# KiCad board PiCoral.kicad_pcb
title: √g; date: 2024-08-05; rev: 1.0.1; company: Stanford Student Space Initiative; note: RE: Flynn Dreilinger
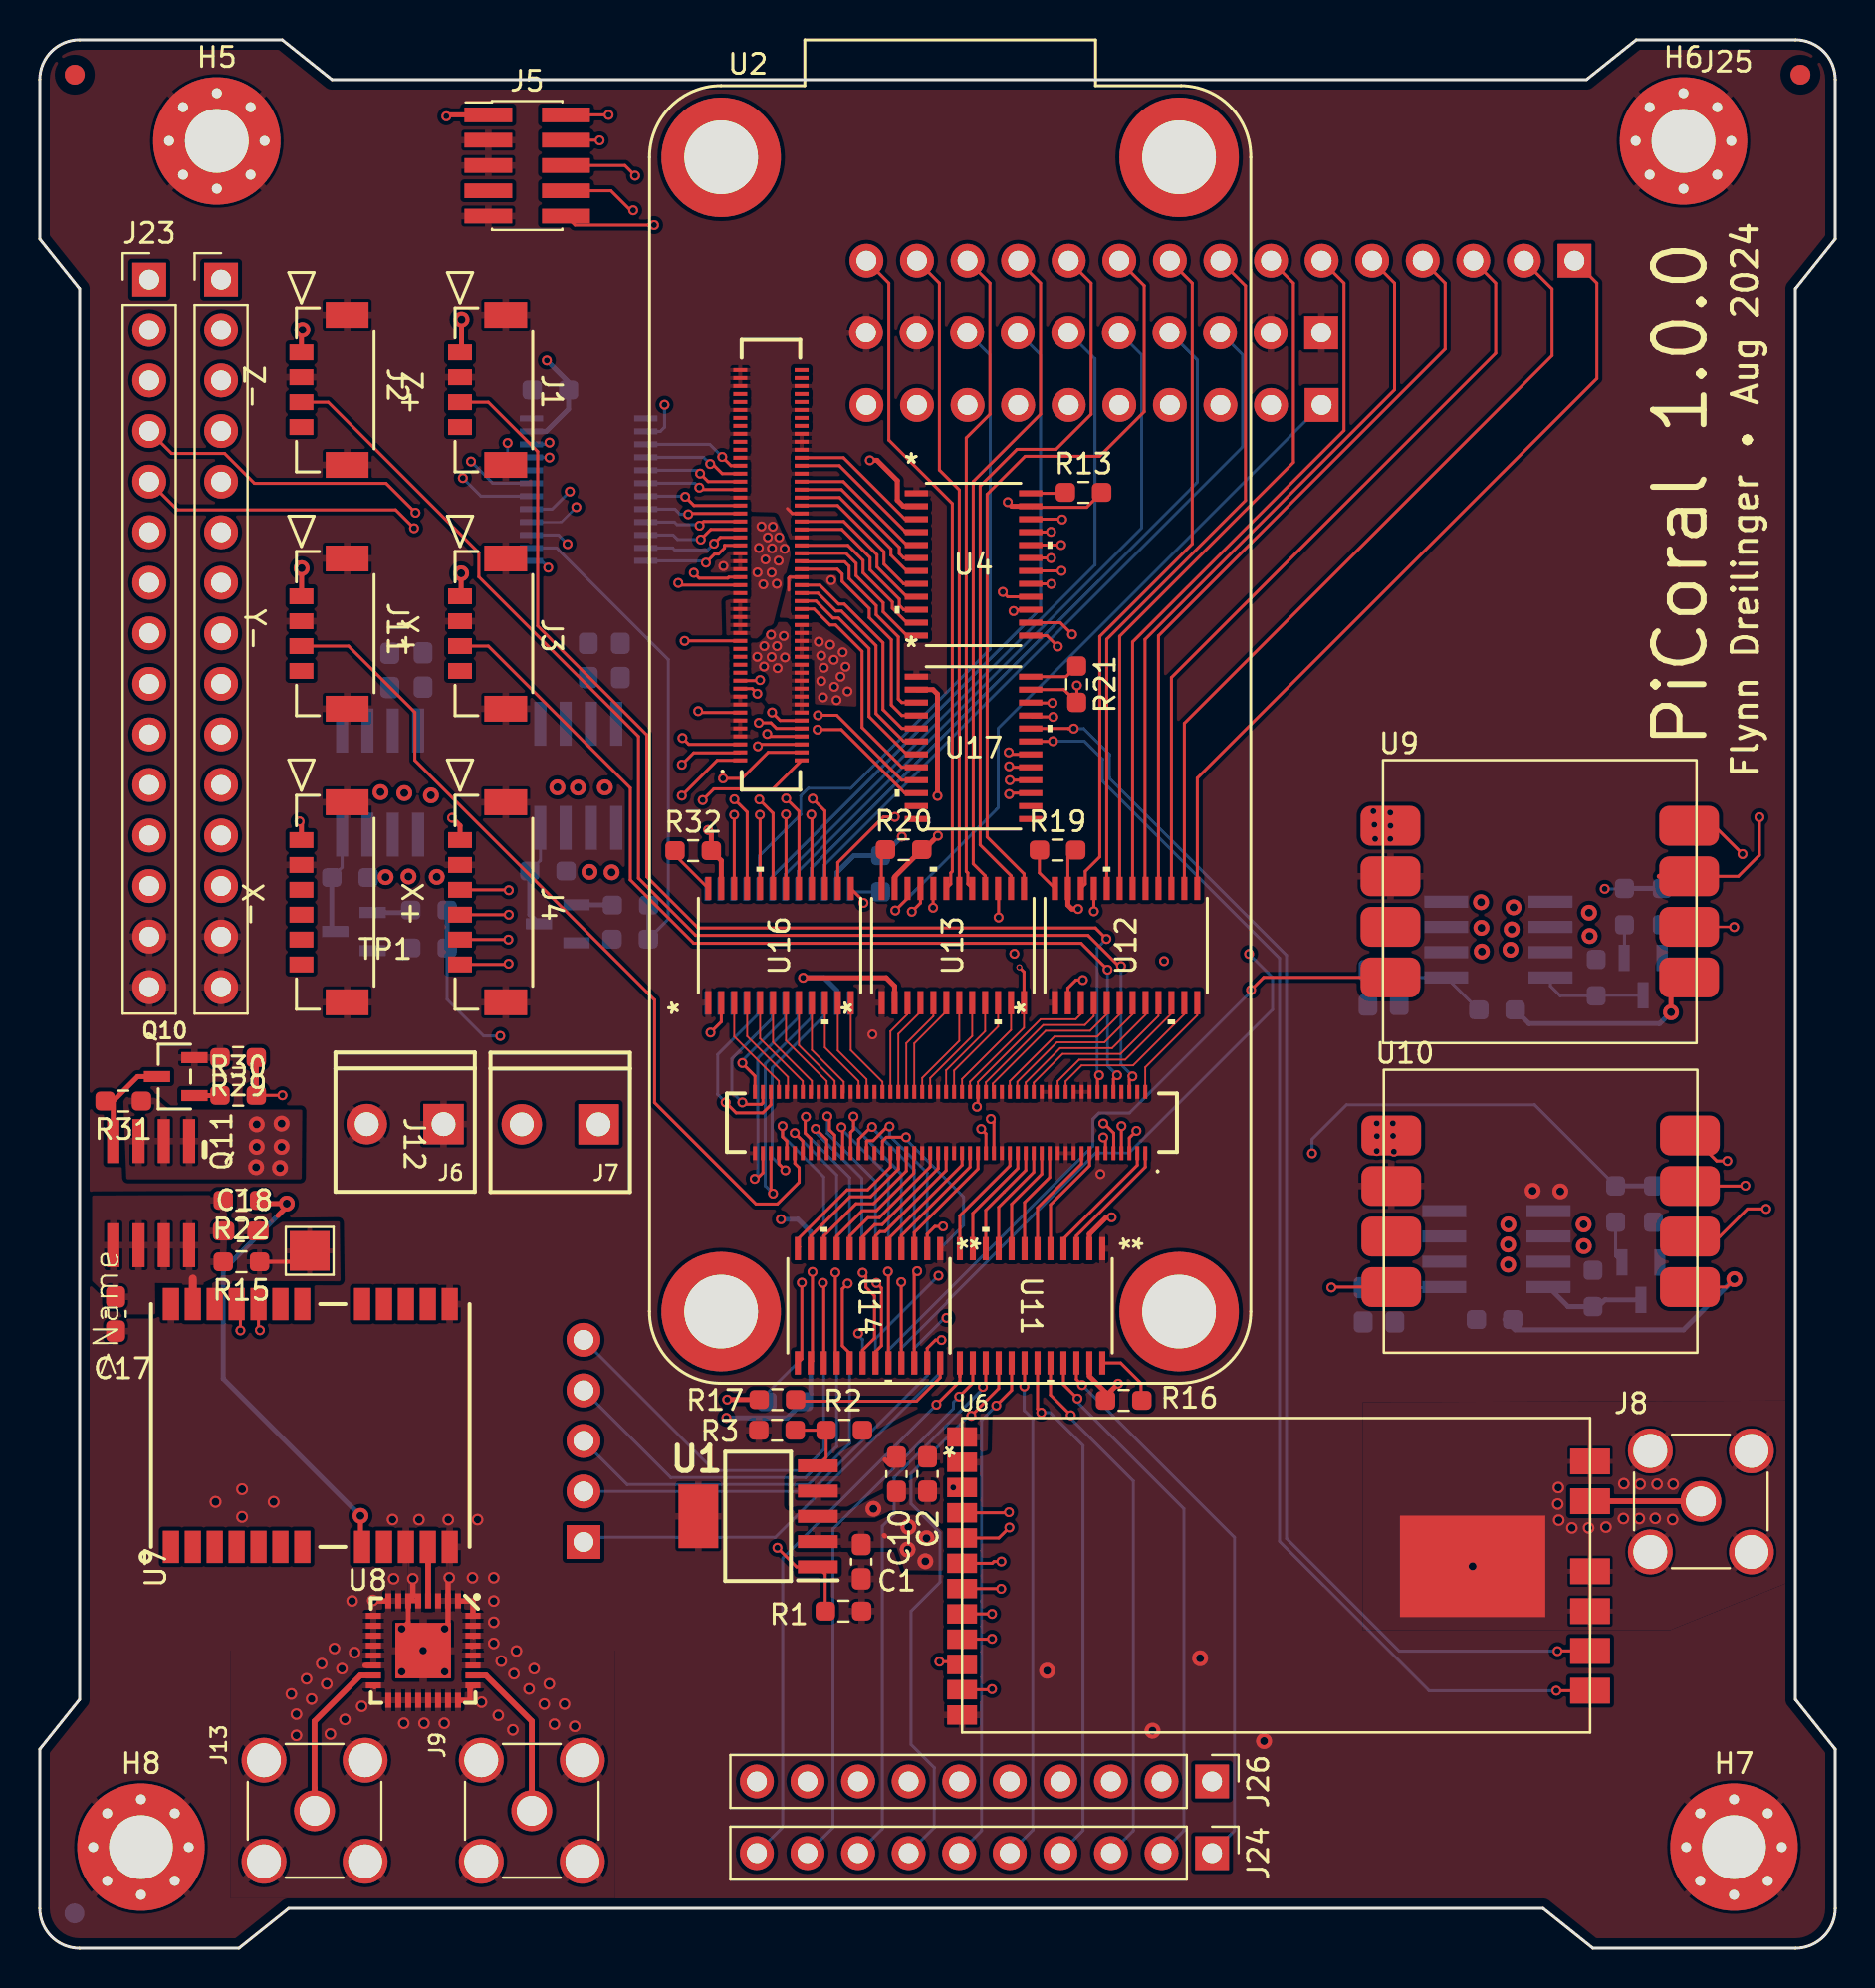
[diagram p0: board, top side]
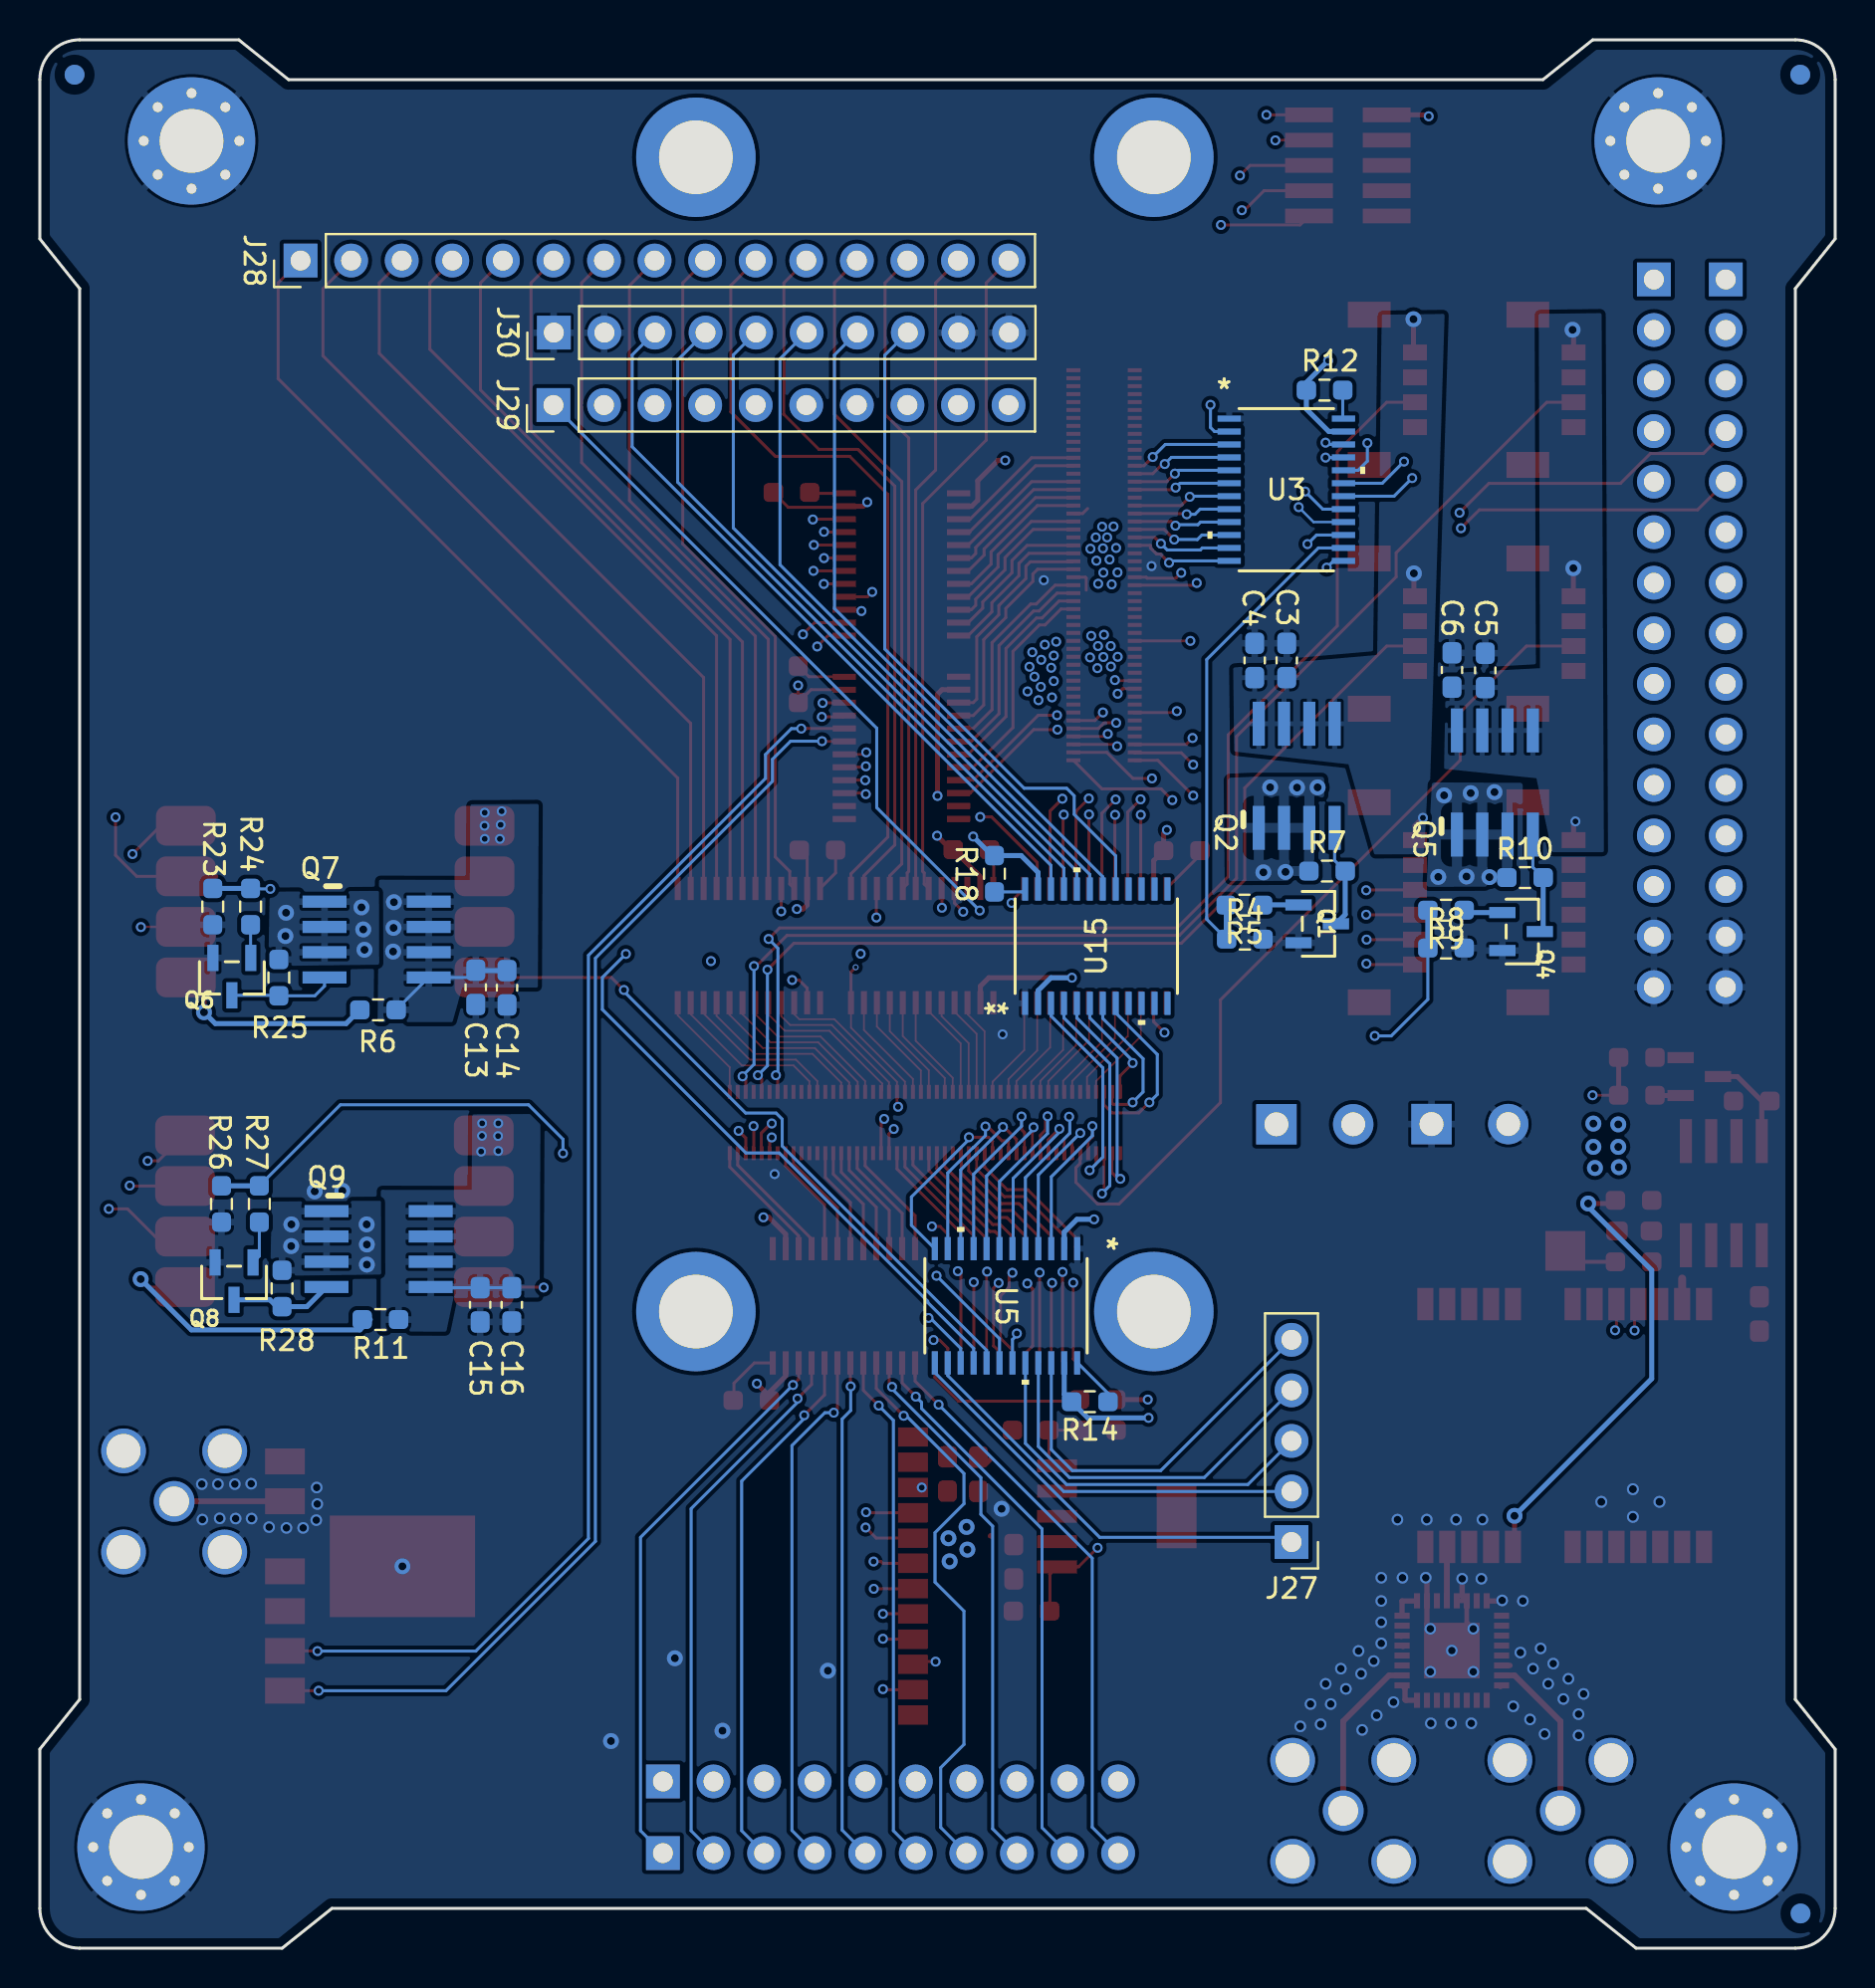
[diagram p1: board, bottom side, seen from below]

Outline 90.17 x 95.89 mm; copper layers: Top, In1.Cu, In2.Cu, In3.Cu, In4.Cu, Bottom. Coordinates in mm from the lower left corner of the outline.
Outline path: 2,95.89 arc(0.59,95.3) 0,93.89 0,85.89 2,83.39 2,12.5 0,10 0,2 arc(0.59,0.59) 2,0 10,0 12.5,2 75.5,2 78,0 88.17,0 arc(89.58,0.59) 90.17,2 90.17,10 88.17,12.5 88.17,83.39 90.17,85.89 90.17,93.89 arc(89.58,95.3) 88.17,95.89 ; 2.01,95.89 12.18,95.89 14.68,93.89 77.68,93.89 80.18,95.89 88.17,95.89
Stack: Top 0.035mm / dielectric 0.1mm FR4 er 4.5 / In1.Cu 0.035mm / dielectric 0.535mm FR4 er 4.5 / In2.Cu 0.035mm / dielectric 0.1mm FR4 er 4.5 / In3.Cu 0.035mm / dielectric 0.535mm FR4 er 4.5 / In4.Cu 0.035mm / dielectric 0.1mm FR4 er 4.5 / Bottom 0.035mm

## Placement (name value [footprint] x y rotation side)
C1  10uF  [C_0603_1608Metric_Pad1.08x0.95mm_HandSolder]  41.26 19.42 90 top
C2  10uF  [C_0603_1608Metric_Pad1.08x0.95mm_HandSolder]  44.58 23.83 90 top
C3  10nF  [C_0603_1608Metric_Pad1.08x0.95mm_HandSolder]  27.55 64.71 90 bottom
C4  4.7uF  [C_0603_1608Metric_Pad1.08x0.95mm_HandSolder]  29.16 64.71 90 bottom
C5  10nF  [C_0603_1608Metric_Pad1.08x0.95mm_HandSolder]  17.58 64.21 90 bottom
C6  4.7uF  [C_0603_1608Metric_Pad1.08x0.95mm_HandSolder]  19.25 64.23 90 bottom
C10  0.1uF  [C_0603_1608Metric_Pad1.08x0.95mm_HandSolder]  43.02 23.82 270 top
C13  10nF  [C_0603_1608Metric_Pad1.08x0.95mm_HandSolder]  68.27 48.28 270 bottom
C14  4.7uF  [C_0603_1608Metric_Pad1.08x0.95mm_HandSolder]  66.7 48.26 270 bottom
C15  10nF  [C_0603_1608Metric_Pad1.08x0.95mm_HandSolder]  68.05 32.33 270 bottom
C16  4.7uF  [C_0603_1608Metric_Pad1.08x0.95mm_HandSolder]  66.47 32.33 270 bottom
C17  10nF  [C_0603_1608Metric_Pad1.08x0.95mm_HandSolder]  3.81 31.87 270 top
C18  4.7uF  [C_0603_1608Metric_Pad1.08x0.95mm_HandSolder]  10.09 36.04 0 top
H5  MountingHole_Pad  [MountingHole_3.2mm_M3_Pad_Via]  8.89 90.81 0 top
H6  MountingHole_Pad  [MountingHole_3.2mm_M3_Pad_Via]  82.55 90.81 0 top
H7  MountingHole_Pad  [MountingHole_3.2mm_M3_Pad_Via]  85.09 5.08 0 top
H8  MountingHole_Pad  [MountingHole_3.2mm_M3_Pad_Via]  5.08 5.08 0 top
J1  5055680431  [CON_5055680431]  21.11 80.18 270 top
J2  5055680431  [CON_5055680431]  13.14 80.18 270 top
J3  5055680431  [CON_5055680431]  21.11 67.93 270 top
J4  5055680631  [CON_5055680631]  21.11 55.68 270 top
J5  JTAG_SWD_10  [PinHeader_2x05_P1.27mm_Vertical_SMD]  24.48 89.58 0 top
J6  1985807  [SCREWTERMINAL-3.5MM-2_LOCK]  20.1 41.41 180 top
J7  1985807  [SCREWTERMINAL-3.5MM-2_LOCK]  27.89 41.4 180 top
J8  Amphenol_901-144  [SMA_Amphenol_901-144_Vertical]  83.42 22.45 0 top
J9  Amphenol_901-144  [SMA_Amphenol_901-144_Vertical]  24.71 6.9 90 top
J11  5055680431  [CON_5055680431]  13.14 67.93 270 top
J12  5055680631  [CON_5055680631]  13.14 55.68 270 top  (not fitted)
J13  Amphenol_901-144  [SMA_Amphenol_901-144_Vertical]  13.8 6.9 90 top
J23  Conn_01x15  [PinHeader_1x15_P2.54mm_Vertical]  5.5 83.85 0 top
J24  Conn_01x10  [PinHeader_1x10_P2.54mm_Vertical]  58.88 4.78 270 top
J25  Conn_01x15  [PinHeader_1x15_P2.54mm_Vertical]  9.11 83.85 0 top
J26  Conn_01x10  [PinHeader_1x10_P2.54mm_Vertical]  58.88 8.38 270 top
J27  Conn_01x05  [PinHeader_1x05_P2.54mm_Vertical]  27.3 20.41 0 bottom
J28  Conn_01x15  [PinHeader_1x15_P2.54mm_Vertical]  77.08 84.8 90 bottom
J29  Conn_01x10  [PinHeader_1x10_P2.54mm_Vertical]  64.38 77.54 90 bottom
J30  Conn_01x10  [PinHeader_1x10_P2.54mm_Vertical]  64.36 81.18 90 bottom
Q1  IRLML2803  [SOT-23]  25.95 51.47 270 bottom
Q2  -  [NDS8434]  27.05 58.91 180 bottom
Q4  IRLML2803  [SOT-23]  15.71 51.08 270 bottom
Q5  -  [NDS8434]  17.09 58.57 180 bottom
Q6  IRLML2803  [SOT-23]  80.52 48.75 0 bottom
Q7  -  [NDS8434]  73.26 50.68 270 bottom
Q8  IRLML2803  [SOT-23]  80.42 33.45 0 bottom
Q9  -  [NDS8434]  73.16 35.13 270 bottom
Q10  IRLML2803  [SOT-23]  6.76 43.8 90 top
Q11  -  [NDS8434]  5.59 37.94 180 top
R1  10k  [R_0603_1608Metric_Pad0.98x0.95mm_HandSolder]  40.36 16.94 0 top
R2  10k  [R_0603_1608Metric_Pad0.98x0.95mm_HandSolder]  40.41 26.03 180 top
R3  3.3k  [R_0603_1608Metric_Pad0.98x0.95mm_HandSolder]  37.02 26.03 180 top
R4  10K  [R_0603_1608Metric_Pad0.98x0.95mm_HandSolder]  29.65 50.7 180 bottom
R5  4.7K  [R_0603_1608Metric_Pad0.98x0.95mm_HandSolder]  29.67 52.41 0 bottom
R6  10k  [R_0603_1608Metric_Pad0.98x0.95mm_HandSolder]  73.19 47.15 180 bottom
R7  3.3k  [R_0603_1608Metric_Pad0.98x0.95mm_HandSolder]  25.52 54.12 180 bottom
R8  10K  [R_0603_1608Metric_Pad0.98x0.95mm_HandSolder]  19.55 50.26 180 bottom
R9  4.7K  [R_0603_1608Metric_Pad0.98x0.95mm_HandSolder]  19.55 52.16 0 bottom
R10  3.3k  [R_0603_1608Metric_Pad0.98x0.95mm_HandSolder]  15.58 53.8 180 bottom
R11  10k  [R_0603_1608Metric_Pad0.98x0.95mm_HandSolder]  73.07 31.59 180 bottom
R12  100k  [R_0603_1608Metric_Pad0.98x0.95mm_HandSolder]  25.64 78.29 0 bottom
R13  100k  [R_0603_1608Metric_Pad0.98x0.95mm_HandSolder]  52.42 73.15 0 top
R14  100k  [R_0603_1608Metric_Pad0.98x0.95mm_HandSolder]  37.44 27.46 0 bottom
R15  0  [R_0603_1608Metric_Pad0.98x0.95mm_HandSolder]  10.12 34.49 180 top
R16  100k  [R_0603_1608Metric_Pad0.98x0.95mm_HandSolder]  54.44 27.53 180 top
R17  100k  [R_0603_1608Metric_Pad0.98x0.95mm_HandSolder]  37.05 27.57 180 top
R18  100k  [R_0603_1608Metric_Pad0.98x0.95mm_HandSolder]  42.23 53.99 90 bottom
R19  100k  [R_0603_1608Metric_Pad0.98x0.95mm_HandSolder]  51.11 55.18 0 top
R20  100k  [R_0603_1608Metric_Pad0.98x0.95mm_HandSolder]  43.39 55.2 0 top
R21  100k  [R_0603_1608Metric_Pad0.98x0.95mm_HandSolder]  52.08 63.51 270 top
R22  10K  [R_0603_1608Metric_Pad0.98x0.95mm_HandSolder]  10.12 37.58 180 top
R23  10K  [R_0603_1608Metric_Pad0.98x0.95mm_HandSolder]  81.48 52.34 270 bottom
R24  4.7K  [R_0603_1608Metric_Pad0.98x0.95mm_HandSolder]  79.58 52.34 90 bottom
R25  3.3k  [R_0603_1608Metric_Pad0.98x0.95mm_HandSolder]  78.17 48.77 270 bottom
R26  10K  [R_0603_1608Metric_Pad0.98x0.95mm_HandSolder]  81.05 37.4 270 bottom
R27  4.7K  [R_0603_1608Metric_Pad0.98x0.95mm_HandSolder]  79.14 37.4 90 bottom
R28  3.3k  [R_0603_1608Metric_Pad0.98x0.95mm_HandSolder]  78.01 33.15 270 bottom
R29  10K  [R_0603_1608Metric_Pad0.98x0.95mm_HandSolder]  9.96 44.76 180 top
R30  4.7K  [R_0603_1608Metric_Pad0.98x0.95mm_HandSolder]  9.96 42.86 0 top
R31  3.3k  [R_0603_1608Metric_Pad0.98x0.95mm_HandSolder]  4.19 42.57 180 top
R32  100k  [R_0603_1608Metric_Pad0.98x0.95mm_HandSolder]  32.82 55.15 0 top
REF**  -  [Fiducial_1mm_Mask2mm]  88.42 94.14 0 top
REF**#2  -  [Fiducial_1mm_Mask2mm]  1.76 94.14 0 top
REF**#3  -  [Fiducial_1mm_Mask2mm]  88.42 94.14 180 bottom
REF**#4  -  [Fiducial_1mm_Mask2mm]  1.76 94.14 180 bottom
REF**#5  -  [Fiducial_1mm_Mask2mm]  1.74 1.75 180 bottom
TP1  TestPoint  [TestPoint_Pad_2.0x2.0mm]  13.56 35.04 0 top
U1  -  [TPS7A4501DCQT]  36.08 21.7 180 top
U2  Google Coral Micro  [Coral]  45.72 60.99 0 top
U3  NVT2010PW_118  [TSSOP24_SOT355-1_NXP-L]  27.57 73.28 180 bottom
U4  NVT2010PW_118  [TSSOP24_SOT355-1_NXP-L]  46.89 69.53 0 top
U5  NVT2010PW_118  [TSSOP24_SOT355-1_NXP-L]  41.65 32.28 270 bottom
U6  LORA1281F27  [LORA128XF27]  77.86 11.44 180 top
U7  Orion B16  [S1216_24PIN_PACKAGE]  14.21 26.01 270 top
U8  EP2W+  [QFN32-5X5MM]  19.25 14.96 270 top
U9  ~  [RM3100CB]  75.33 52.59 0 top
U10  ~  [RM3100CB]  75.38 37.03 0 top
U11  NVT2010PW_118  [TSSOP24_SOT355-1_NXP-L]  49.79 32.28 270 top
U12  NVT2010PW_118  [TSSOP24_SOT355-1_NXP-L]  54.56 50.38 90 top
U13  NVT2010PW_118  [TSSOP24_SOT355-1_NXP-L]  45.86 50.38 90 top
U14  NVT2010PW_118  [TSSOP24_SOT355-1_NXP-L]  41.65 32.28 270 top
U15  NVT2010PW_118  [TSSOP24_SOT355-1_NXP-L]  37.11 50.35 90 bottom
U16  NVT2010PW_118  [TSSOP24_SOT355-1_NXP-L]  37.15 50.38 90 top
U17  NVT2010PW_118  [TSSOP24_SOT355-1_NXP-L]  46.89 60.31 0 top

## Library data of the parts
C1 C2 = -: Description: 10uF +-20% 10V X5R; ki_fp_filters: C_*
C10 = -: Description: 1uF 0603 X7R
H5-H8 = -: DNI: DNI; ki_fp_filters: MountingHole*Pad*
J1 = -: Harness Name: Z+; ki_fp_filters: CON_5055680431
J2 = -: Harness Name: Z-; ki_fp_filters: CON_5055680431
J3 = -: Harness Name: Y+; ki_fp_filters: CON_5055680431
J4 = -: Harness Name: X+; ki_fp_filters: CON_5055680631
J5 = -: Description: JTAG/SWD 10-pin connector; JLCPCB P/N: C180221; Flight: BD125-10-A-0305-0580-L-B; Manufacturer_Name: GCT; ki_fp_filters: PinHeader?2x05?P1.27mm*
J6 J7 = -: Datasheet: https://www.mouser.com/datasheet/2/324/4/1985807-1458929.pdf; Description: 2-pin Screw Terminal - Side Entry; Manufacturer_Name: Phoenix Contact
J8 J9 J13 = -: Datasheet: https://www.amphenolrf.com/library/download/link/link_id/593640/parent/901-144/; Description: Amphenol RF SMA; Flight: 901-144; Manufacturer_Name: Amphenol; Manufacturer_Part_Number: 901-144; Proto: 901-144; ki_fp_filters: *BNC* *SMA* *SMB* *SMC* *Cinch* *LEMO*
J11 = -: Harness Name: Y-; ki_fp_filters: CON_5055680431
J12 = -: Harness Name: X-; ki_fp_filters: CON_5055680631
J23 J25 J28 = -: Description: Generic connector, single row, 01x15, script generated (kicad-library-utils/schlib/autogen/connector/); ki_fp_filters: Connector*:*_1x??_*
J24 J26 J29 J30 = -: Description: Generic connector, single row, 01x10, script generated (kicad-library-utils/schlib/autogen/connector/); ki_fp_filters: Connector*:*_1x??_*
J27 = -: Description: Generic connector, single row, 01x05, script generated (kicad-library-utils/schlib/autogen/connector/); ki_fp_filters: Connector*:*_1x??_*
Q1 Q4 Q6 Q8 Q10 = -: Datasheet: https://www.infineon.com/dgdl/irlml2803pbf.pdf?fileId=5546d462533600a4015356682aff260f; Description: Single N-Channel MOSFET; Manufacturer_Name: Infineon Technologies; Proto: 2302
Q2 Q5 Q7 Q9 Q11 = -: Datasheet: https://www.onsemi.com/pdf/datasheet/nds8434-d.pdf; Description: P-Channel MOSFET; Manufacturer_Name: ON Semiconductor; Proto: DMP2022LSS-13
R1 R2 = -: Description: 10K 0603; ki_fp_filters: R_*
R3 = -: Description: 3.3K 0603; ki_fp_filters: R_*
R4 R8 R22 R23 R26 R29 = -: Description: 10K 0603
R5 R9 R24 R27 R30 = -: Description: 4.7K 0603
R6 R11 = -: Description: 10k 0603; DNI: Mixed Values
R7 R10 R25 R28 R31 = -: Description: 0603
R12-R21 R32 = -: Description: Resistor, US symbol; ki_fp_filters: R_*
TP1 = -: Description: test point; ki_fp_filters: Pin* Test*
U1 = -: Datasheet: http://docs-emea.rs-online.com/webdocs/130f/0900766b8130f550.pdf; Description: LOW-NOISE FAST-TRANSIENT-RESPONSE 1.5-A LOW-DROPOUT VOLTAGE%D REGULATORS; Manufacturer_Name: Texas Instruments; Height: 1.8; Arrow Price/Stock: https://www.arrow.com/en/products/tps7a4501dcqt/texas-instruments; Mouser Part Number: 595-TPS7A4501DCQT; Mouser Price/Stock: https://www.mouser.co.uk/ProductDetail/Texas-Instruments/TPS7A4501DCQT?qs=g0HfZ8wh75DefRsz0DtlDw%3D%3D
U2 = -: DNI: DNI; Height: 3.05; Manufacturer_Name: Hirose; Manufacturer_Part_Number: DF40HC(3.0)-100DS-0.4V(51)
U3-U5 U11-U17 = -: ki_fp_filters: TSSOP24_SOT355-1_NXP TSSOP24_SOT355-1_NXP-M TSSOP24_SOT355-1_NXP-L
U6 = -: Datasheet: https://file.fomille.site/1260815565112336386/1650759420204007426.pdf; ki_fp_filters: QFN24_4X4_SEM QFN24_4X4_SEM-M QFN24_4X4_SEM-L
U7 = -: Manufacturer_Name: SkyTraq; Unit Price: 850.0; Unit Price (Proto): 6.80; Flight: B16
U8 = -: Description: RF Splitter DC-Pass; Manufacturer_Name: Mini Circuits; Unit Price: 24.92

## Footprints (pads in the part's own frame, mm; a bottom-side part is the same pattern mirrored in y, then rotated)
C_0603_1608Metric_Pad1.08x0.95mm_HandSolder
  rrect 1.075x0.95 smd: 1(-0.863,0) 2(0.863,0)
CON_5055680431
  rect 0.8x1.2 smd: 1(0,0) 2(1.25,0) 3(2.5,0) 4(3.75,0)
  rect 1.3x2.15 smd: 5(-1.9,2.295) 6(5.65,2.295)
CON_5055680631
  rect 0.8x1.2 smd: 1(0,0) 2(1.25,0) 3(2.5,0) 4(3.75,0) 5(5,0) 6(6.25,0)
  rect 1.3x2.15 smd: 7(-1.9,2.295) 8(8.15,2.295)
Coral
  rect 0.2x0.7 smd: 1(9.8,-21.04) 2(9.8,-17.96) 3(9.4,-21.04) 4(9.4,-17.96) 5(9,-21.04) 6(9,-17.96) 7(8.6,-21.04) 8(8.6,-17.96) 9(8.2,-21.04) 10(8.2,-17.96) 11(7.8,-21.04) 12(7.8,-17.96) 13(7.4,-21.04) 14(7.4,-17.96) 15(7,-21.04) 16(7,-17.96) 17(6.6,-21.04) 18(6.6,-17.96) 19(6.2,-21.04) 20(6.2,-17.96) 21(5.8,-21.04) 22(5.8,-17.96) 23(5.4,-21.04) 24(5.4,-17.96) 25(5,-21.04) 26(5,-17.96) 27(4.6,-21.04) 28(4.6,-17.96) 29(4.2,-21.04) 30(4.2,-17.96) 31(3.8,-21.04) 32(3.8,-17.96) 33(3.4,-21.04) 34(3.4,-17.96) 35(3,-21.04) 36(3,-17.96) 37(2.6,-21.04) 38(2.6,-17.96) 39(2.2,-21.04) 40(2.2,-17.96) 41(1.8,-21.04) 42(1.8,-17.96) 43(1.4,-21.04) 44(1.4,-17.96) 45(1,-21.04) 46(1,-17.96) 47(0.6,-21.04) 48(0.6,-17.96) 49(0.2,-21.04) 50(0.2,-17.96) 51(-0.2,-21.04) 52(-0.2,-17.96) 53(-0.6,-21.04) 54(-0.6,-17.96) 55(-1,-21.04) 56(-1,-17.96) 57(-1.4,-21.04) 58(-1.4,-17.96) 59(-1.8,-21.04) 60(-1.8,-17.96) 61(-2.2,-21.04) 62(-2.2,-17.96) 63(-2.6,-21.04) 64(-2.6,-17.96) 65(-3,-21.04) 66(-3,-17.96) 67(-3.4,-21.04) 68(-3.4,-17.96) 69(-3.8,-21.04) 70(-3.8,-17.96) 71(-4.2,-21.04) 72(-4.2,-17.96) 73(-4.6,-21.04) 74(-4.6,-17.96) 75(-5,-21.04) 76(-5,-17.96) 77(-5.4,-21.04) 78(-5.4,-17.96) 79(-5.8,-21.04) 80(-5.8,-17.96) 81(-6.2,-21.04) 82(-6.2,-17.96) 83(-6.6,-21.04) 84(-6.6,-17.96) 85(-7,-21.04) 86(-7,-17.96) 87(-7.4,-21.04) 88(-7.4,-17.96) 89(-7.8,-21.04) 90(-7.8,-17.96) 91(-8.2,-21.04) 92(-8.2,-17.96) 93(-8.6,-21.04) 94(-8.6,-17.96) 95(-9,-21.04) 96(-9,-17.96) 97(-9.4,-21.04) 98(-9.4,-17.96) 99(-9.8,-21.04) 100(-9.8,-17.96)
  rect 0.7x0.2 smd: 101(-10.54,-1.3) 102(-7.46,-1.3) 103(-10.54,-0.9) 104(-7.46,-0.9) 105(-10.54,-0.5) 106(-7.46,-0.5) 107(-10.54,-0.1) 108(-7.46,-0.1) 109(-10.54,0.3) 110(-7.46,0.3) 111(-10.54,0.7) 112(-7.46,0.7) 113(-10.54,1.1) 114(-7.46,1.1) 115(-10.54,1.5) 116(-7.46,1.5) 117(-10.54,1.9) 118(-7.46,1.9) 119(-10.54,2.3) 120(-7.46,2.3) 121(-10.54,2.7) 122(-7.46,2.7) 123(-10.54,3.1) 124(-7.46,3.1) 125(-10.54,3.5) 126(-7.46,3.5) 127(-10.54,3.9) 128(-7.46,3.9) 129(-10.54,4.3) 130(-7.46,4.3) 131(-10.54,4.7) 132(-7.46,4.7) 133(-10.54,5.1) 134(-7.46,5.1) 135(-10.54,5.5) 136(-7.46,5.5) 137(-10.54,5.9) 138(-7.46,5.9) 139(-10.54,6.3) 140(-7.46,6.3) 141(-10.54,6.7) 142(-7.46,6.7) 143(-10.54,7.1) 144(-7.46,7.1) 145(-10.54,7.5) 146(-7.46,7.5) 147(-10.54,7.9) 148(-7.46,7.9) 149(-10.54,8.3) 150(-7.46,8.3) 151(-10.54,8.7) 152(-7.46,8.7) 153(-10.54,9.1) 154(-7.46,9.1) 155(-10.54,9.5) 156(-7.46,9.5) 157(-10.54,9.9) 158(-7.46,9.9) 159(-10.54,10.3) 160(-7.46,10.3) 161(-10.54,10.7) 162(-7.46,10.7) 163(-10.54,11.1) 164(-7.46,11.1) 165(-10.54,11.5) 166(-7.46,11.5) 167(-10.54,11.9) 168(-7.46,11.9) 169(-10.54,12.3) 170(-7.46,12.3) 171(-10.54,12.7) 172(-7.46,12.7) 173(-10.54,13.1) 174(-7.46,13.1) 175(-10.54,13.5) 176(-7.46,13.5) 177(-10.54,13.9) 178(-7.46,13.9) 179(-10.54,14.3) 180(-7.46,14.3) 181(-10.54,14.7) 182(-7.46,14.7) 183(-10.54,15.1) 184(-7.46,15.1) 185(-10.54,15.5) 186(-7.46,15.5) 187(-10.54,15.9) 188(-7.46,15.9) 189(-10.54,16.3) 190(-7.46,16.3) 191(-10.54,16.7) 192(-7.46,16.7) 193(-10.54,17.1) 194(-7.46,17.1) 195(-10.54,17.5) 196(-7.46,17.5) 197(-10.54,17.9) 198(-7.46,17.9) 199(-10.54,18.3) 200(-7.46,18.3)
  round 6 hole 3.7: 201(-11.5,29) 202(11.5,29) 203(11.5,-29) 204(-11.5,-29)
Fiducial_1mm_Mask2mm
  round 1 smd: (0,0)
LORA128XF27
  rect 1.5x0.975 smd: 1(31.54,-14.25) 2(31.54,-12.98) 3(31.54,-11.71) 4(31.54,-10.44) 5(31.54,-9.17) 6(31.54,-7.9) 7(31.54,-6.63) 8(31.54,-5.36) 9(31.54,-4.09) 10(31.54,-2.82) 11(31.54,-1.55) 12(31.54,-0.28)
  rect 2x1.3 smd: 13(0,-1.5) 14(0,-3.5) 15(0,-5.5) 16(0,-7.5) 17(0,-11.02) 18(0,-13.02)
  rect 7.3x5.1 smd: 19(5.9,-7.75)
MountingHole_3.2mm_M3_Pad_Via
  round 0.8 hole 0.5: 1(-2.4,0) 1(-1.697,1.697) 1(-1.697,-1.697) 1(0,2.4) 1(0,-2.4) 1(1.697,1.697) 1(1.697,-1.697) 1(2.4,0)
  round 6.4 hole 3.2: 1(0,0)
NDS8434
  rect 0.61x2.21 smd: 1(-1.905,-2.616) 2(-0.635,-2.616) 3(0.635,-2.616) 4(1.905,-2.616) 5(1.905,2.616) 6(0.635,2.616) 7(-0.635,2.616) 8(-1.905,2.616)
PinHeader_1x05_P2.54mm_Vertical
  rect 1.7x1.7 hole 1: 1(0,0)
  oval 1.7x1.7 hole 1: 2(0,-2.54) 3(0,-5.08) 4(0,-7.62) 5(0,-10.16)
PinHeader_1x10_P2.54mm_Vertical
  rect 1.7x1.7 hole 1: 1(0,0)
  oval 1.7x1.7 hole 1: 2(0,-2.54) 3(0,-5.08) 4(0,-7.62) 5(0,-10.16) 6(0,-12.7) 7(0,-15.24) 8(0,-17.78) 9(0,-20.32) 10(0,-22.86)
PinHeader_1x15_P2.54mm_Vertical
  rect 1.7x1.7 hole 1: 1(0,0)
  oval 1.7x1.7 hole 1: 2(0,-2.54) 3(0,-5.08) 4(0,-7.62) 5(0,-10.16) 6(0,-12.7) 7(0,-15.24) 8(0,-17.78) 9(0,-20.32) 10(0,-22.86) 11(0,-25.4) 12(0,-27.94) 13(0,-30.48) 14(0,-33.02) 15(0,-35.56)
PinHeader_2x05_P1.27mm_Vertical_SMD
  rect 2.4x0.74 smd: 1(-1.95,2.54) 2(1.95,2.54) 3(-1.95,1.27) 4(1.95,1.27) 5(-1.95,0) 6(1.95,0) 7(-1.95,-1.27) 8(1.95,-1.27) 9(-1.95,-2.54) 10(1.95,-2.54)
QFN32-5X5MM
  rect 0.762x0.305 smd: 1(-2.5,1.75) 2(-2.5,1.25) 3(-2.5,0.75) 4(-2.5,0.25) 5(-2.5,-0.25) 6(-2.5,-0.75) 7(-2.5,-1.25) 8(-2.5,-1.75) 17(2.5,-1.75) 18(2.5,-1.25) 19(2.5,-0.75) 20(2.5,-0.25) 21(2.5,0.25) 22(2.5,0.75) 23(2.5,1.25) 24(2.5,1.75)
  rect 0.305x0.762 smd: 9(-1.75,-2.5) 10(-1.25,-2.5) 11(-0.75,-2.5) 12(-0.25,-2.5) 13(0.25,-2.5) 14(0.75,-2.5) 15(1.25,-2.5) 16(1.75,-2.5) 25(1.75,2.5) 26(1.25,2.5) 27(0.75,2.5) 28(0.25,2.5) 29(-0.25,2.5) 30(-0.75,2.5) 31(-1.25,2.5) 32(-1.75,2.5)
  rect 2.794x2.794 smd: EP(0,0)
R_0603_1608Metric_Pad0.98x0.95mm_HandSolder
  rrect 0.975x0.95 smd: 1(-0.912,0) 2(0.912,0)
RM3100CB
  rrect 3x2 smd: 1(-7.5,3.81) 2(-7.5,1.27) 3(-7.5,-1.27) 4(-7.5,-3.81) 5(7.5,3.81) 6(7.5,1.27) 7(7.5,-1.27) 8(7.5,-3.81)
S1216_24PIN_PACKAGE
  rect 1.626x0.813 smd: 1(5.85,-7.62) 2(5.85,-6.52) 3(5.85,-5.42) 4(5.85,-4.32) 5(5.85,-3.22) 6(5.85,-2.12) 7(5.85,-1.02) 8(5.85,1.98) 9(5.85,3.08) 10(5.85,4.18) 11(5.85,5.28) 12(5.85,6.38) 13(-6.35,6.38) 14(-6.35,5.28) 15(-6.35,4.18) 16(-6.35,3.08) 17(-6.35,1.98) 18(-6.35,-1.02) 19(-6.35,-2.12) 20(-6.35,-3.22) 21(-6.35,-4.32) 22(-6.35,-5.42) 23(-6.35,-6.52) 24(-6.35,-7.62)
SCREWTERMINAL-3.5MM-2_LOCK
  rect 2.032x2.032 hole 1.2: 1(-0.178,0)
  round 2.032 hole 1.2: 2(3.678,0)
SMA_Amphenol_901-144_Vertical
  round 2.05 hole 1.5: 1(0,0)
  round 2.25 hole 1.7: 2(-2.54,2.54) 2(-2.54,-2.54) 2(2.54,2.54) 2(2.54,-2.54)
SOT-23
  rect 0.559x1.321 smd: 1(-0.953,-1.003) 2(0.953,-1.003) 3(0,0.876)
TestPoint_Pad_2.0x2.0mm
  rect 2x2 smd: 1(0,0)
TPS7A4501DCQT
  rect 2x0.65 smd: 1(-3,2.54) 2(-3,1.27) 3(-3,0) 4(-3,-1.27) 5(-3,-2.54)
  rect 2x3.2 smd: 6(3,0)
TSSOP24_SOT355-1_NXP-L
  rect 1.168x0.305 smd: 1(-2.87,3.575) 2(-2.87,2.925) 3(-2.87,2.275) 4(-2.87,1.625) 5(-2.87,0.975) 6(-2.87,0.325) 7(-2.87,-0.325) 8(-2.87,-0.975) 9(-2.87,-1.625) 10(-2.87,-2.275) 11(-2.87,-2.925) 12(-2.87,-3.575) 13(2.87,-3.575) 14(2.87,-2.925) 15(2.87,-2.275) 16(2.87,-1.625) 17(2.87,-0.975) 18(2.87,-0.325) 19(2.87,0.325) 20(2.87,0.975) 21(2.87,1.625) 22(2.87,2.275) 23(2.87,2.925) 24(2.87,3.575)
